# KiCad board rabbit_mask_capacitors_right.kicad_pcb (continued)
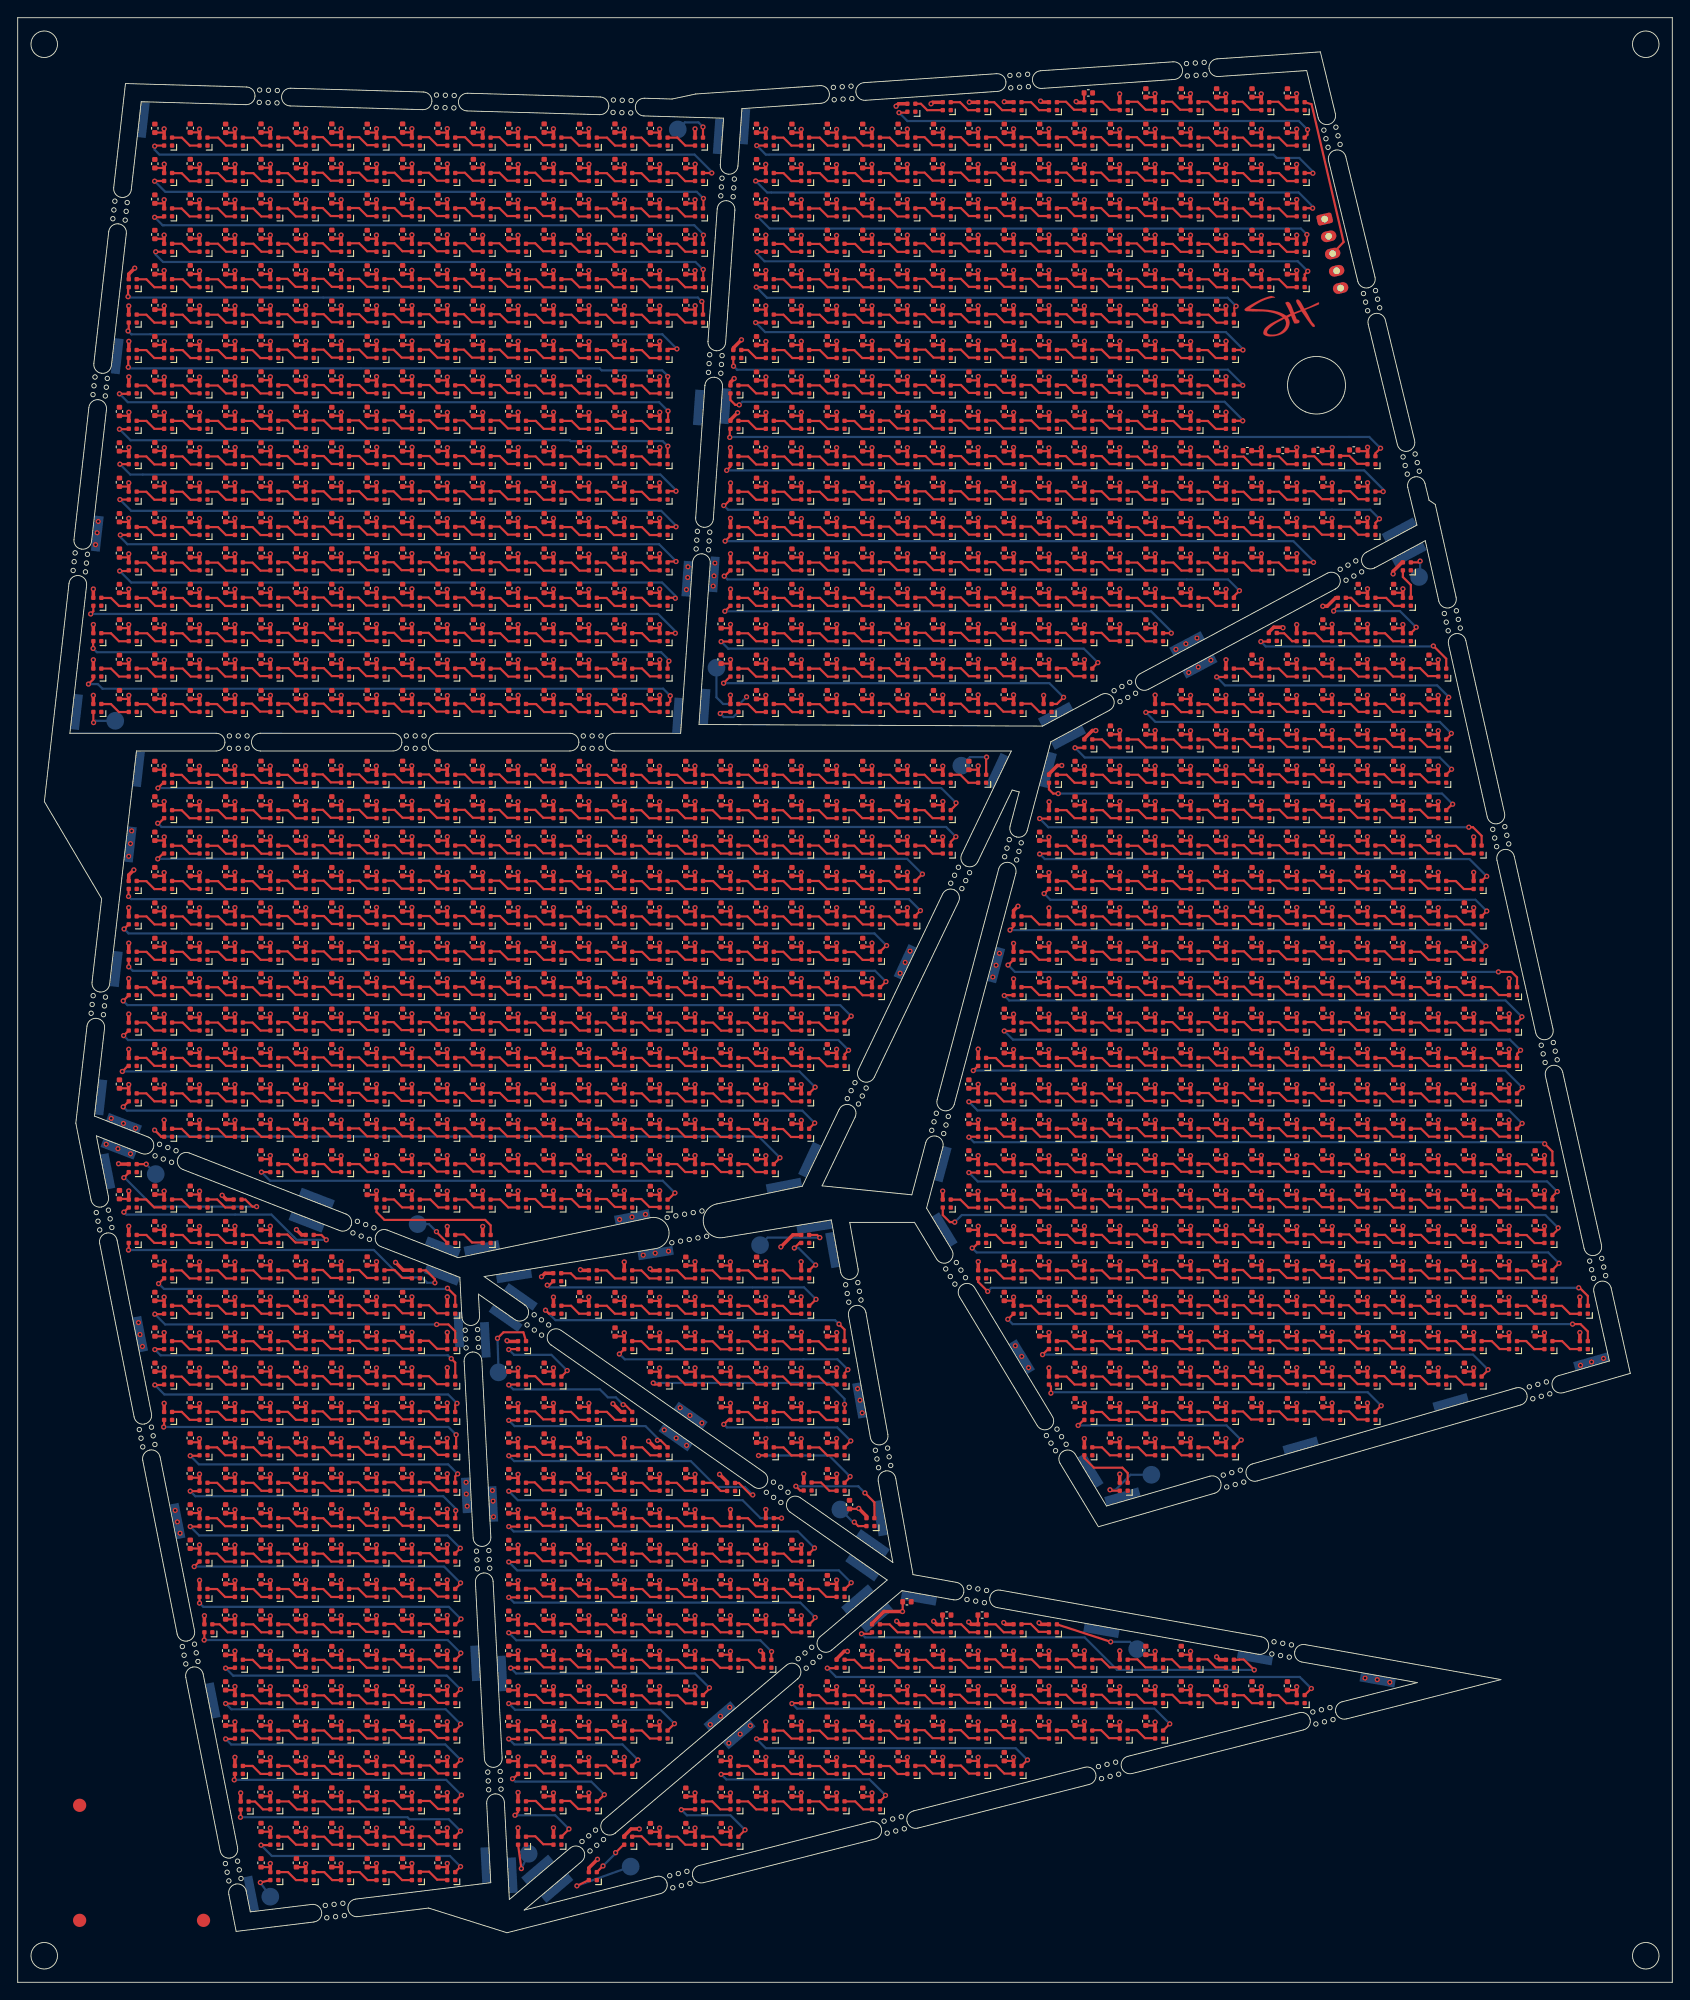
[diagram p0: board, top side]
## Routing (per net, layer and track width the routed paths; a pad name or vN(x,y) marks a point on that pad's centre or on a via; arc(x,y) is an arc through that point) (continued)
v1(152.54,145.44) ; 108.55,136.47 v1(108.55,137.45) ; D2179.2 v1(144.55,129.43) ; 40.55,100.5 v1(40.55,101.47) ; 64.55,96.46 v1(64.55,97.44) ; 148.55,124.47 v1(148.55,125.45) ; D2094.2 v1(80.55,137.43) ; 164.56,84.44 v1(164.56,85.41) ; v1(55.3,72.5) 55.38,72.41 56.55,72.41 ; D2853.2 v1(104.55,37.43) ; 48.55,72.47 v1(48.55,73.44) ; 92.55,172.44 v1(92.55,173.42) ; 40.56,176.47 v1(40.56,177.44) ; D2934.2 v1(25.2,21.4) ; 68.55,160.42 v1(68.55,161.39) ; 40.56,188.47 v1(40.56,189.44) ; 148.54,88.43 v1(148.54,89.41) ; 132.55,108.43 v1(132.55,109.4) ; D2886.2 v1(132.55,33.43) ; D1931.2 v1(28.55,157.43) ; D2479.2 v1(40.55,93.43) ; v1(63.6,80.53) 63.68,80.45 D2574.2 ; 108.56,148.52 v1(108.56,149.5) ; 56.56,128.43 v1(56.56,129.4) ; D2358.2 v1(136.55,109.43) ; 52.55,168.44 v1(52.55,169.41) ; 124.55,192.43 v1(124.55,193.4) ; 12.56,176.44 v1(12.56,177.42) ; D1654.2 v1(128.55,193.43) ; 156.56,80.46 v1(156.56,81.44) ; 64.56,128.45 v1(64.56,129.43) ; D2067.2 120.55,140.55 121.45,141.45 v1(121.85,141.45) ; D2246.2 v1(120.55,121.42) ; 36.55,92.43 v1(36.55,93.4) ; 116.55,32.47 v1(116.55,33.45) ; 68.56,204.44 v1(68.56,205.42) ; 28.55,40.43 v1(28.55,41.4) ; 140.54,204.43 v1(140.54,205.4) ; 164.56,104.46 v1(164.56,105.44) ; 95.95,52.45 95.95,52.65 v1(95.05,53.55) ; D2901.2 v1(72.55,29.43) ; 148.55,116.47 v1(148.55,117.45) ; 64.56,204.47 v1(64.56,205.44) ; 48.56,128.47 v1(48.56,129.45) ; 36.56,184.45 v1(36.56,185.43) ; 60.55,168.46 v1(60.55,169.44) ; D2298.2 v1(28.55,113.43) ; D2396.2 v1(140.55,105.43) ; 148.55,120.47 v1(148.55,121.45) ; D2217.2 v1(152.55,125.42) ; 141.41,152.49 141.41,152.58 141.95,153.12 142.94,153.12 v1(143,153.06) ; D1938.2 v1(56.55,157.43) ; 140.56,160.45 v1(140.56,161.43) ; 68.55,88.47 v1(68.55,89.45) ; 136.55,208.41 v1(136.55,209.38) ; 72.56,176.44 v1(72.56,177.42) ; 104.55,208.43 v1(104.55,209.41) ; D2598.2 v1(16.55,77.43) ; 32.54,136.46 v1(32.54,137.44) ; D2200.2 v1(72.55,125.42) ; D1576.2 v1(76.55,201.43) ; D2775.2 v1(84.55,53.43) ; 16.55,116.42 v1(16.55,117.4) ; 152.56,80.46 v1(152.56,81.44) ; 68.55,152.43 v1(68.55,153.4) ; 128.55,92.44 v1(128.55,93.41) ; 20.55,76.43 v1(20.55,77.4) ; 32.55,108.44 v1(32.55,109.41) ; 132.56,84.46 v1(132.56,85.44) ; 48.55,104.44 v1(48.55,105.41) ; 116.55,76.43 v1(116.55,77.4) ; 32.55,24.43 v1(32.55,25.4) ; D2482.2 v1(52.55,93.43) ; 120.55,76.43 v1(120.55,77.4) ; 128.55,188.46 v1(128.55,189.44) ; D2363.2 v1(156.55,109.43) ; 48.56,176.42 v1(48.56,177.39) ; v1(113.05,121.6) 112.55,121.1 112.55,120.42 ; D2487.2 v1(72.55,93.43) ; D2792.2 v1(84.55,49.43) ; D2840.2 v1(44.55,37.43) ; 144.55,120.47 v1(144.55,121.45) ; 56.55,52.43 v1(56.55,53.4) ; 80.56,152.46 v1(80.56,153.44) ; 120.56,176.44 v1(120.56,177.42) ; D2168.2 v1(92.55,129.43) ; 68.56,148.44 v1(68.56,149.41) ; D2507.2 v1(172.55,93.43) ; 28.55,100.47 v1(28.55,101.44) ; 104.56,160.45 v1(104.56,161.43) ; D2299.2 v1(32.55,113.43) ; 132.54,204.45 v1(132.54,205.43) ; D2875.2 v1(88.55,33.43) ; 60.56,148.46 v1(60.56,149.44) ; 76.55,16.45 v1(76.55,17.43) ; 28.55,120.46 v1(28.55,121.44) ; 76.55,56.43 v1(76.55,57.4) ; 16.55,152.43 v1(16.55,153.4) ; 16.55,88.43 v1(16.55,89.4) ; 24.55,56.43 v1(24.55,57.4) ; 112.55,172.47 v1(112.55,173.44) ; 60.55,40.43 v1(60.55,41.4) ; 152.55,164.47 v1(152.55,165.45) ; 160.56,108.46 v1(160.56,109.44) ; 24.55,48.43 v1(24.55,49.4) ; D2190.2 v1(32.55,125.42) ; 140.56,164.45 v1(140.56,165.43) ; 136.55,112.44 v1(136.55,113.41) ; 76.55,96.46 v1(76.55,97.44) ; 116.55,188.49 v1(116.55,189.46) ; 136.56,164.43 v1(136.56,165.4) ; D2386.2 v1(88.55,105.43) ; 40.55,208.46 v1(40.55,209.44) ; D2699.2 v1(32.55,65.43) ; D1612.2 v1(96.55,197.43) ; 28.56,204.47 v1(28.56,205.44) ; 20.55,160.42 v1(20.55,161.39) ; 136.56,80.49 v1(136.56,81.46) ; 144.54,204.45 v1(144.54,205.43) ; D2664.2 v1(176.55,73.43) ; 32.55,28.43 v1(32.55,29.4) ; 80.55,108.43 v1(80.55,109.4) ; 84.56,156.43 v1(84.56,157.41) ; 16.54,136.46 v1(16.54,137.44) ; 112.56,176.42 v1(112.56,177.39) ; D2306.2 v1(60.55,113.43) ; 120.55,200.44 v1(120.55,201.42) ; 148.55,76.43 v1(148.55,77.4) ; D2909.2 v1(112.55,29.43) ; 28.55,52.43 v1(28.55,53.4) ; 20.55,168.44 v1(20.55,169.41) ; 152.56,96.49 v1(152.56,97.46) ; D2932.2 v1(108.55,25.43) ; 68.55,168.44 v1(68.55,169.41) ; 168.56,84.46 v1(168.56,85.44) ; 16.55,72.44 v1(16.55,73.41) ; 156.55,72.43 v1(156.55,73.4) ; 164.56,80.44 v1(164.56,81.41) ; 20.55,88.43 v1(20.55,89.4) ; 56.55,92.47 v1(56.55,93.45) ; D2838.2 v1(36.55,37.43) ; D2967.2 v1(48.55,13.43) ; 72.56,204.44 v1(72.56,205.42) ; 56.55,32.47 v1(56.55,33.45) ; 124.54,212.41 v1(124.54,213.39) ; 32.55,92.43 v1(32.55,93.4) ; D1624.2 v1(144.55,197.43) ; 108.56,180.47 v1(108.56,181.45) ; 76.55,112.44 v1(76.55,113.41) ; 68.56,180.41 v1(68.56,181.39) ; 116.55,192.47 v1(116.55,193.45) ; 88.56,148.47 v1(88.56,149.44) ; 152.55,132.47 v1(152.55,133.44) ; 16.55,168.44 v1(16.55,169.41) ; 92.55,60.47 v1(92.55,61.45) ; 48.55,164.43 v1(48.55,165.4) ; 144.54,88.41 v1(144.54,89.38) ; 104.55,188.46 v1(104.55,189.44) ; 128.56,164.45 v1(128.56,165.43) ; D2076.2 v1(156.55,141.43) ; 12.56,148.46 v1(12.56,149.44) ; D2927.2 v1(88.55,25.43) ; v1(111.5,212.5) 111.54,212.47 112.54,212.47 ; 120.56,168.43 v1(120.56,169.4) ; 64.55,104.44 v1(64.55,105.41) ; 100.55,144.47 v1(100.55,145.45) ; 64.54,136.46 v1(64.54,137.44) ; 120.54,88.43 v1(120.54,89.41) ; 24.56,144.45 v1(24.56,145.43) ; D2481.2 v1(48.55,93.43) ; 56.55,36.47 v1(56.55,37.45) ; D2219.2 v1(160.55,125.42) ; 32.56,128.45 v1(32.56,129.43) ; 12.56,184.45 v1(12.56,185.43) ; 36.56,128.45 v1(36.56,129.43) ; 36.56,144.45 v1(36.56,145.43) ; 20.55,96.44 v1(20.55,97.41) ; 72.55,168.46 v1(72.55,169.44) ; D2436.2 v1(156.55,101.43) ; 152.55,76.43 v1(152.55,77.4) ; 32.56,176.44 v1(32.56,177.42) ; D1615.2 v1(108.55,197.43) ; 116.56,152.44 v1(116.56,153.41) ; D2698.2 v1(28.55,65.43) ; 128.56,156.45 v1(128.56,157.43) ; 64.55,116.42 v1(64.55,117.4) ; 76.55,196.46 v1(76.55,197.44) ; 144.56,168.44 v1(144.56,169.42) ; 148.55,64.47 v1(148.55,65.45) ; 92.56,132.45 v1(92.56,133.43) ; D2292.2 v1(160.55,117.42) ; 116.55,196.47 v1(116.55,197.45) ; 64.56,184.43 v1(64.56,185.4) ; 36.55,160.44 v1(36.55,161.42) ; D2615.2 v1(112.55,77.43) ; 136.56,148.47 v1(136.56,149.44) ; 132.55,124.42 v1(132.55,125.4) ; 60.55,96.46 v1(60.55,97.44) ; D2240.2 v1(88.55,121.42) ; 40.55,104.49 v1(40.55,105.46) ; 40.55,164.47 v1(40.55,165.45) ; 96.55,144.47 v1(96.55,145.45) ; 124.56,152.46 v1(124.56,153.44) ; 96.55,24.43 v1(96.55,25.4) ; 16.57,172.44 v1(16.57,173.41) ; 104.54,88.43 v1(104.54,89.41) ; 128.55,32.43 v1(128.55,33.4) ; D2715.2 v1(132.55,65.43) ; D1872.2 v1(72.55,165.43) ; 148.55,100.47 v1(148.55,101.45) ; 72.55,72.41 v1(72.55,73.39) ; 84.55,108.43 v1(84.55,109.4) ; D1646.2 v1(96.55,193.43) ; 32.55,100.47 v1(32.55,101.44) ; D1857.2 v1(12.55,165.43) ; 132.55,136.43 v1(132.55,137.4) ; 164.56,112.45 v1(164.56,113.43) ; 32.55,168.46 v1(32.55,169.44) ; 24.55,196.44 v1(24.55,197.41) ; 116.56,148.47 v1(116.56,149.44) ; v1(13.22,193.7) 12.55,193.03 12.55,192.47 ; 112.55,100.44 v1(112.55,101.42) ; 116.55,124.42 v1(116.55,125.4) ; 140.55,76.47 v1(140.55,77.45) ; 20.56,128.43 v1(20.56,129.4) ; 160.56,80.44 v1(160.56,81.41) ; 8.55,148.47 v1(8.55,149.44) ; D2939.2 v1(44.55,21.43) ; 60.56,144.45 v1(60.56,145.43) ; 20.55,116.42 v1(20.55,117.4) ; 40.55,120.48 v1(40.55,121.46) ; 60.55,56.43 v1(60.55,57.4) ; 68.55,72.41 v1(68.55,73.39) ; D2940.2 v1(48.55,21.43) ; D1962.2 v1(12.55,153.43) ; 128.54,204.45 v1(128.54,205.43) ; 124.56,84.46 v1(124.56,85.44) ; 24.54,136.44 v1(24.54,137.41) ; 144.56,96.46 v1(144.56,97.44) ; D2854.2 v1(108.55,37.43) ; D2701.2 v1(40.55,65.43) ; 132.56,160.43 v1(132.56,161.4) ; D2712.2 v1(120.55,65.43) ; 80.55,68.44 v1(80.55,69.41) ; 84.55,188.46 v1(84.55,189.44) ; D2188.2 v1(24.55,125.42) ; 128.55,200.47 v1(128.55,201.44) ; D1942.2 v1(72.55,157.43) ; D1564.2 v1(28.55,201.43) ; 40.55,96.46 v1(40.55,97.44) ; 44.56,144.47 v1(44.56,145.45) ; 36.54,136.46 v1(36.54,137.44) ; 80.56,132.45 v1(80.56,133.43) ; 128.55,120.42 v1(128.55,121.4) ; 52.56,144.43 v1(52.56,145.4) ; 120.56,132.43 v1(120.56,133.4) ; D2290.2 v1(152.55,117.42) ; 52.55,108.41 v1(52.55,109.39) ; D2850.2 92.55,36.55 93.4,37.4 v1(93.77,37.4) ; 48.56,188.5 v1(48.56,189.47) ; 112.56,152.49 v1(112.56,153.46) ; D2822.2 v1(64.55,41.43) ; 64.56,180.41 v1(64.56,181.39) ; 40.56,144.47 v1(40.56,145.45) ; 72.56,184.45 v1(72.56,185.43) ; 168.55,92.44 v1(168.55,93.41) ; 72.55,16.45 v1(72.55,17.43) ; D2835.2 v1(24.55,37.43) ; 128.55,28.43 v1(128.55,29.4) ; D2608.2 v1(64.55,77.43) ; 116.56,132.43 v1(116.56,133.4) ; 88.55,128.43 v1(88.55,129.4) ; 156.54,148.47 v1(156.54,149.44) ; 84.55,136.43 v1(84.55,137.4) ; 88.55,196.43 v1(88.55,197.4) ; D2734.2 v1(84.55,61.43) ; 172.55,80.46 v1(172.55,81.44) ; D2603.2 v1(36.55,77.43) ; D2473.2 v1(164.55,97.43) ; 68.56,176.42 v1(68.56,177.39) ; 152.55,128.47 v1(152.55,129.45) ; D2900.2 v1(68.55,29.43) ; D2931.2 v1(104.55,25.43) ; 84.56,168.43 v1(84.56,169.4) ; D2808.2 v1(80.55,45.43) ; 84.56,132.43 v1(84.56,133.4) ; 60.55,24.43 v1(60.55,25.4) ; D2207.2 v1(100.55,125.42) ; 48.55,88.43 v1(48.55,89.4) ; D2118.2 v1(32.55,133.43) ; 16.55,100.44 v1(16.55,101.42) ; 168.56,80.46 v1(168.56,81.44) ; D1632.2 v1(36.55,193.43) ; 64.57,172.44 v1(64.57,173.41) ; 176.55,76.46 v1(176.55,77.44) ; 16.56,204.47 v1(16.56,205.44) ; 124.55,196.43 v1(124.55,197.4) ; 136.55,60.46 v1(136.55,61.44) ; 168.55,72.43 v1(168.55,73.4) ; 92.56,176.44 v1(92.56,177.42) ; D2868.2 v1(48.55,33.43) ; D2214.2 v1(140.55,125.42) ; 32.55,196.46 v1(32.55,197.44) ; 88.56,168.43 v1(88.56,169.4) ; 12.55,92.46 11.44,92.46 v1(11.4,92.5) ; 20.55,200.43 v1(20.55,201.4) ; 36.56,148.46 v1(36.56,149.44) ; D2878.2 v1(100.55,33.43) ; 80.55,116.42 v1(80.55,117.4) ; 88.56,84.46 87.61,84.46 v1(86.25,83.1) ; 36.55,168.46 v1(36.55,169.44) ; 68.55,120.44 v1(68.55,121.41) ; 36.55,196.46 v1(36.55,197.44) ; 76.55,20.43 v1(76.55,21.4) ; D2791.2 v1(80.55,49.43) ; 12.55,168.46 v1(12.55,169.44) ; 72.55,200.43 v1(72.55,201.4) ; 52.55,96.44 v1(52.55,97.41) ; 52.55,208.44 v1(52.55,209.41) ; 24.57,172.46 v1(24.57,173.44) ; 156.55,92.44 v1(156.55,93.41) ; 68.55,92.43 v1(68.55,93.4) ; 136.55,196.43 v1(136.55,197.4) ; 116.56,168.43 v1(116.56,169.4) ; 156.55,156.49 v1(156.55,157.46) ; 124.55,140.47 v1(124.55,141.45) ; 116.56,156.43 v1(116.56,157.41) ; 72.55,120.46 v1(72.55,121.44) ; 136.56,176.44 v1(136.56,177.42) ; 152.55,152.47 v1(152.55,153.45) ; D2620.2 v1(132.55,77.43) ; D1861.2 v1(28.55,165.43) ; 24.55,64.43 v1(24.55,65.4) ; 36.55,72.44 v1(36.55,73.41) ; 96.54,204.45 v1(96.54,205.43) ; 20.55,108.41 v1(20.55,109.39) ; 32.55,16.43 v1(32.55,17.4) ; 68.55,208.44 v1(68.55,209.41) ; D2686.2 v1(132.55,69.43) ; D1614.2 v1(104.55,197.43) ; 116.55,108.43 v1(116.55,109.4) ; 100.55,208.43 v1(100.55,209.41) ; 156.54,88.41 v1(156.54,89.38) ; D2602.2 v1(32.55,77.43) ; 140.55,208.41 v1(140.55,209.38) ; 64.55,12.43 64.55,12.93 v1(65.52,13.9) ; 44.56,176.47 v1(44.56,177.44) ; 52.55,104.44 v1(52.55,105.41) ; 124.55,100.47 v1(124.55,101.44) ; 52.55,84.44 v1(52.55,85.41) ; 48.55,156.43 v1(48.55,157.4) ; 124.55,92.44 v1(124.55,93.41) ; 112.56,184.44 v1(112.56,185.41) ; 84.55,92.43 v1(84.55,93.4) ; 48.55,112.43 v1(48.55,113.4) ; D2688.2 v1(140.55,69.43) ; 136.55,200.44 v1(136.55,201.42) ; 40.55,160.47 v1(40.55,161.44) ; 136.54,212.41 v1(136.54,213.39) ; D2777.2 v1(20.55,49.43) ; 32.55,36.43 v1(32.55,37.4) ; 132.55,208.43 v1(132.55,209.41) ; 88.55,68.41 v1(88.55,69.39) ; 116.56,184.44 v1(116.56,185.41) ; 72.55,192.43 v1(72.55,193.4) ; 48.55,48.47 v1(48.55,49.45) ; 104.56,132.45 v1(104.56,133.43) ; 172.55,72.43 v1(172.55,73.4) ; 32.54,60.46 v1(32.54,61.44) ; 108.55,144.5 v1(108.55,145.47) ; D1621.2 v1(132.55,197.43) ; 20.55,208.44 v1(20.55,209.41) ; D1620.2 v1(128.55,197.43) ; 148.56,84.44 v1(148.56,85.41) ; 44.55,200.47 v1(44.55,201.45) ; 96.56,168.45 v1(96.56,169.43) ; D2893.2 v1(36.55,29.43) ; 64.55,92.43 v1(64.55,93.4) ; 16.55,164.43 v1(16.55,165.4) ; D2742.2 v1(20.55,57.43) ; 64.55,156.43 v1(64.55,157.4) ; 128.54,212.44 v1(128.54,213.41) ; D1932.2 v1(32.55,157.43) ; D2508.2 v1(12.55,89.43) ; 44.55,104.49 v1(44.55,105.46) ; D2946.2 v1(84.55,21.43) ; 124.55,64.43 v1(124.55,65.4) ; D2269.2 v1(56.55,117.42) ; D2213.2 v1(136.55,125.42) ; 120.55,32.47 v1(120.55,33.45) ; 76.55,44.43 v1(76.55,45.4) ; 128.54,88.43 v1(128.54,89.41) ; 60.52,80.12 59.6,80.12 v1(59.2,79.72) ; 132.55,120.42 v1(132.55,121.4) ; 36.56,188.47 v1(36.56,189.44) ; 32.56,148.46 v1(32.56,149.44) ; D2565.2 v1(16.55,81.43) ; 108.56,184.49 v1(108.56,185.46) ; 80.56,72.46 v1(80.56,73.44) ; 12.55,108.44 v1(12.55,109.41) ; 136.55,188.44 v1(136.55,189.41) ; 168.56,108.46 v1(168.56,109.44) ; 72.55,104.46 v1(72.55,105.44) ; D2476.2 v1(28.55,93.43) ; 20.56,184.43 v1(20.56,185.4) ; 164.55,76.43 v1(164.55,77.4) ; 116.55,92.41 v1(116.55,93.39) ; D2668.2 v1(28.55,69.43) ; D1660.2 v1(12.55,189.43) ; D2196.2 v1(56.55,125.42) ; 96.55,208.43 v1(96.55,209.41) ; 60.54,136.46 v1(60.54,137.44) ; 132.55,116.42 v1(132.55,117.4) ; 56.55,56.43 v1(56.55,57.4) ; 48.55,124.42 v1(48.55,125.4) ; 16.55,208.46 v1(16.55,209.44) ; 112.55,92.41 v1(112.55,93.39) ; 40.56,148.49 v1(40.56,149.46) ; 132.55,100.44 v1(132.55,101.42) ; 56.55,132.43 v1(56.55,133.4) ; D2105.2 v1(128.55,137.43) ; D2788.2 v1(68.55,49.43) ; D2794.2 v1(20.55,45.43) ; 56.56,204.44 v1(56.56,205.42) ; 108.55,200.47 v1(108.55,201.44) ; 84.55,64.43 v1(84.55,65.4) ; 96.55,188.46 v1(96.55,189.44) ; 76.55,40.43 v1(76.55,41.4) ; 160.54,148.47 v1(160.54,149.44) ; D2896.2 v1(48.55,29.43) ; D2735.2 v1(88.55,61.43) ; 44.55,124.47 v1(44.55,125.45) ; 128.56,184.44 v1(128.56,185.41) ; D2241.2 v1(92.55,121.42) ; 144.55,208.43 v1(144.55,209.41) ; 28.55,28.43 v1(28.55,29.4) ; 124.55,60.44 v1(124.55,61.41) ; D2201.2 v1(76.55,125.42) ; 144.55,76.47 v1(144.55,77.45) ; D2400.2 v1(156.55,105.43) ; 132.56,96.43 v1(132.56,97.4) ; D2756.2 80.18,56.55 v1(79.32,57.4) ; D2670.2 v1(36.55,69.43) ; 56.54,60.44 v1(56.54,61.41) ; 88.54,76.47 v1(88.54,77.45) ; 124.56,132.45 v1(124.56,133.43) ; 44.55,132.47 v1(44.55,133.45) ; D2261.2 v1(24.55,117.42) ; 20.57,172.44 v1(20.57,173.41) ; D2206.2 v1(96.55,125.42) ; 136.55,128.43 v1(136.55,129.4) ; D2764.2 v1(36.55,53.43) ; 72.55,52.43 v1(72.55,53.4) ; D2263.2 v1(32.55,117.42) ; 64.55,112.43 v1(64.55,113.4) ; D1655.2 v1(132.55,193.43) ; D2872.2 v1(68.55,33.43) ; 84.55,68.41 v1(84.55,69.39) ; 112.55,108.43 v1(112.55,109.4) ; D2183.2 v1(160.55,129.43) ; 96.55,200.47 v1(96.55,201.44) ; 120.56,164.43 v1(120.56,165.4) ; D1658.2 v1(144.55,193.43) ; D2908.2 v1(108.55,29.43) ; 12.55,84.46 v1(12.55,85.44) ; 20.56,204.44 v1(20.56,205.42) ; 72.55,132.43 v1(72.55,133.4) ; 96.55,36.43 v1(96.55,37.4) ; 120.54,204.43 v1(120.54,205.4) ; D1939.2 v1(60.55,157.43) ; D2711.2 v1(92.55,65.43) ; 108.55,208.43 v1(108.55,209.41) ; D2351.2 v1(92.55,109.43) ; D2881.2 v1(112.55,33.43) ; 136.54,88.46 v1(136.54,89.43) ; 56.55,100.47 v1(56.55,101.44) ; 96.55,172.44 v1(96.55,173.42) ; 88.56,72.49 v1(88.56,73.46) ; 128.56,132.45 v1(128.56,133.43) ; 28.55,84.46 v1(28.55,85.44) ; 44.55,72.47 v1(44.55,73.44) ; 120.55,100.47 v1(120.55,101.44) ; D2669.2 v1(32.55,69.43) ; 56.55,48.43 v1(56.55,49.4) ; D1966.2 v1(28.55,153.43) ; 100.56,176.44 v1(100.56,177.42) ; D2887.2 v1(136.55,33.43) ; 56.56,148.46 v1(56.56,149.44) ; D2829.2 96.55,40.55 97.9,41.9 v1(100,41.9) ; 36.56,180.44 v1(36.56,181.41) ; 136.55,100.47 v1(136.55,101.44) ; 20.56,176.42 v1(20.56,177.39) ; 60.55,32.43 v1(60.55,33.4) ; 64.55,32.43 v1(64.55,33.4) ; 100.56,132.45 v1(100.56,133.43) ; D2812.2 v1(21.1,41.43) ; 64.55,208.46 v1(64.55,209.44) ; 16.56,180.41 v1(16.56,181.39) ; 72.55,56.43 v1(72.55,57.4) ; 152.55,72.43 v1(152.55,73.4) ; 20.55,156.43 v1(20.55,157.4) ; D2278.2 v1(92.55,117.42) ; D2577.2 v1(76.55,81.43) ; D2512.2 v1(40.55,89.43) ; D2300.2 v1(36.55,113.43) ; 112.54,88.41 v1(112.54,89.38) ; 140.56,84.49 v1(140.56,85.46) ; 148.55,68.47 v1(148.55,69.45) ; D1647.2 v1(100.55,193.43) ; 144.54,212.44 v1(144.54,213.41) ; D1630.2 v1(28.55,193.43) ; 88.56,96.43 v1(88.56,97.4) ; 32.56,144.45 v1(32.56,145.43) ; 48.55,96.49 v1(48.55,97.46) ; 120.56,80.46 v1(120.56,81.44) ; D2933.2 v1(112.55,25.43) ; D1933.2 v1(36.55,157.43) ; 44.55,16.45 v1(44.55,17.43) ; D1566.2 v1(36.55,201.43) ; 112.55,112.41 v1(112.55,113.39) ; 128.55,100.44 v1(128.55,101.42) ; 40.55,168.49 v1(40.55,169.46) ; 136.55,172.42 v1(136.55,173.39) ; 88.56,152.44 v1(88.56,153.41) ; D1967.2 v1(32.55,153.43) ; D2104.2 v1(124.55,137.43) ; 76.56,128.45 v1(76.56,129.43) ; D2392.2 v1(124.55,105.43) ; 124.55,112.44 v1(124.55,113.41) ; 100.55,36.43 v1(100.55,37.4) ; 76.55,100.47 v1(76.55,101.44) ; 24.56,176.44 v1(24.56,177.42) ; 64.55,36.43 v1(64.55,37.4) ; 84.56,180.43 v1(84.56,181.4) ; 48.55,200.47 v1(48.55,201.45) ; 52.55,200.43 v1(52.55,201.4) ; 28.56,188.47 v1(28.56,189.44) ; 80.55,36.43 v1(80.55,37.4) ; 168.56,100.46 v1(168.56,101.44) ; D2189.2 v1(28.55,125.42) ; D2277.2 v1(88.55,117.42) ; 44.54,136.49 v1(44.54,137.46) ; 80.55,124.42 v1(80.55,125.4) ; 36.55,208.46 v1(36.55,209.44) ; D1561.2 v1(16.55,201.43) ; 72.57,172.46 v1(72.57,173.44) ; 120.56,160.43 v1(120.56,161.4) ; 88.55,100.47 v1(88.55,101.44) ; 132.55,92.44 v1(132.55,93.41) ; 64.54,60.46 v1(64.54,61.44) ; 52.56,204.44 v1(52.56,205.42) ; 80.56,156.45 v1(80.56,157.43) ; 16.55,84.44 v1(16.55,85.41) ; D2759.2 v1(124.55,57.43) ; 32.56,204.47 v1(32.56,205.44) ; 56.55,208.44 v1(56.55,209.41) ; 128.56,160.45 v1(128.56,161.43) ; D2114.2 v1(16.55,133.43) ; 168.56,112.45 v1(168.56,113.43) ; 60.56,184.45 v1(60.56,185.43) ; 44.55,160.47 v1(44.55,161.44) ; 36.55,120.46 v1(36.55,121.44) ; 124.55,36.47 v1(124.55,37.45) ; 60.55,108.44 v1(60.55,109.41) ; D1968.2 v1(36.55,153.43) ; 48.55,64.47 v1(48.55,65.45) ; 144.56,84.44 v1(144.56,85.41) ; D2856.2 v1(116.55,37.43) ; D2687.2 v1(136.55,69.43) ; D2604.2 v1(40.55,77.43) ; D2108.2 v1(140.55,137.43) ; 52.56,176.42 v1(52.56,177.39) ; 76.55,48.43 v1(76.55,49.4) ; D2309.2 v1(72.55,113.43) ; 68.55,200.43 v1(68.55,201.4) ; 48.55,84.44 v1(48.55,85.41) ; 32.55,32.43 v1(32.55,33.4) ; 144.55,100.47 v1(144.55,101.45) ; 136.55,92.47 v1(136.55,93.44) ; D2125.2 v1(60.55,133.43) ; 104.54,204.45 v1(104.54,205.43) ; 140.55,112.44 v1(140.55,113.41) ; 56.55,20.47 v1(56.55,21.45) ; 68.54,136.44 v1(68.54,137.41) ; 112.56,148.52 v1(112.56,149.5) ; D2675.2 v1(60.55,69.43) ; 92.55,208.41 v1(92.55,209.38) ; 108.54,88.41 v1(108.54,89.38) ; 52.55,120.44 v1(52.55,121.41) ; 132.56,156.43 v1(132.56,157.41) ; 84.55,124.42 v1(84.55,125.4) ; 96.56,160.45 v1(96.56,161.43) ; 124.55,68.43 v1(124.55,69.4) ; D2071.2 v1(136.55,141.43) ; 52.55,164.43 v1(52.55,165.4) ; 84.55,200.47 v1(84.55,201.44) ; D2291.2 v1(156.55,117.42) ; D2031.2 v1(8.55,145.43) ; 124.55,200.44 v1(124.55,201.42) ; D2254.2 v1(152.55,121.42) ; 108.56,152.49 v1(108.56,153.46) ; 48.55,116.42 v1(48.55,117.4) ; 140.54,88.41 v1(140.54,89.38) ; 124.55,32.43 v1(124.55,33.4) ; 24.56,184.45 v1(24.56,185.43) ; 24.55,208.44 v1(24.55,209.41) ; 112.55,196.47 v1(112.55,197.45) ; 144.54,144.44 v1(144.54,145.42) ; 88.56,132.43 v1(88.56,133.4) ; 96.55,28.43 v1(96.55,29.4) ; D2571.2 v1(40.55,81.43) ; 80.54,76.45 v1(80.54,77.43) ; 44.55,208.49 v1(44.55,209.46) ; 24.54,60.44 v1(24.54,61.41) ; 28.55,48.43 v1(28.55,49.4) ; 64.56,176.42 v1(64.56,177.39) ; D2435.2 v1(152.55,101.43) ; 64.55,124.42 v1(64.55,125.4) ; 160.56,100.46 v1(160.56,101.44) ; 100.56,168.45 v1(100.56,169.43) ; 28.54,60.44 v1(28.54,61.41) ; D2175.2 v1(128.55,129.43) ; 148.55,104.47 v1(148.55,105.45) ; D1565.2 v1(32.55,201.43) ; 20.55,152.43 v1(20.55,153.4) ; 128.56,84.46 v1(128.56,85.44) ; D2924.2 v1(68.55,25.43) ; 96.56,180.45 v1(96.56,181.43) ; 132.55,104.43 v1(132.55,105.4) ; 28.56,144.45 v1(28.56,145.43) ; 56.55,160.44 v1(56.55,161.42) ; 40.55,156.47 v1(40.55,157.45) ; D1609.2 v1(84.55,197.43) ; 56.56,176.44 v1(56.56,177.42) ; 32.56,188.47 v1(32.56,189.44) ; D2432.2 v1(140.55,101.43) ; D2965.2 v1(40.55,13.43) ; D2568.2 v1(28.55,81.43) ; 144.55,104.47 v1(144.55,105.45) ; 84.56,148.47 v1(84.56,149.44) ; 68.55,196.44 v1(68.55,197.41) ; 52.55,196.44 v1(52.55,197.41) ; D1927.2 v1(12.55,157.43) ; 76.55,72.44 v1(76.55,73.41) ; 140.56,80.49 v1(140.56,81.46) ; 76.54,136.46 v1(76.54,137.44) ; D2653.2 v1(132.55,73.43) ; D2716.2 v1(136.55,65.43) ; 8.55,156.46 v1(8.55,157.44) ; 116.55,200.5 v1(116.55,201.47) ; 104.56,156.45 v1(104.56,157.43) ; 80.54,80.43 v1(80.54,81.41) ; 64.55,52.45 v1(64.55,53.43) ; 40.54,136.46 v1(40.54,137.44) ; 124.55,208.41 v1(124.55,209.38) ; 20.56,144.43 v1(20.56,145.4) ; 112.56,160.47 v1(112.56,161.45) ; 144.55,92.41 v1(144.55,93.39) ; 124.56,184.46 v1(124.56,185.44) ; D1633.2 v1(40.55,193.43) ; 60.55,44.43 v1(60.55,45.4) ; D2926.2 v1(84.55,25.43) ; 140.56,168.45 v1(140.56,169.43) ; D2867.2 v1(44.55,33.43) ; 64.55,108.41 v1(64.55,109.39) ; 116.56,176.42 v1(116.56,177.39) ; 72.54,136.44 v1(72.54,137.41) ; 24.56,148.46 v1(24.56,149.44) ; 108.56,96.47 v1(108.56,97.45) ; 84.54,76.45 v1(84.54,77.43) ; 48.54,136.49 v1(48.54,137.46) ; 128.56,152.46 v1(128.56,153.44) ; 52.55,112.43 v1(52.55,113.4) ; 28.55,96.46 v1(28.55,97.44) ; 120.55,172.42 v1(120.55,173.39) ; 68.55,116.42 v1(68.55,117.4) ; 152.55,140.47 v1(152.55,141.45) ; 92.56,184.46 v1(92.56,185.44) ; 44.54,60.46 v1(44.54,61.44) ; D2258.2 v1(12.55,117.42) ; 156.56,96.46 v1(156.56,97.44) ; D1649.2 v1(108.55,193.43) ; 60.55,100.47 v1(60.55,101.44) ; D2294.2 v1(12.55,113.43) ; D2297.2 v1(24.55,113.43) ; 64.56,148.44 v1(64.56,149.41) ; 20.54,60.46 v1(20.54,61.44) ; D2060.2 v1(136.55,145.43) ; D2745.2 v1(32.55,57.43) ; 148.56,96.49 v1(148.56,97.46) ; D2914.2 v1(24.55,25.43) ; 40.55,116.47 v1(40.55,117.45) ; D1572.2 v1(60.55,201.43) ; D2354.2 v1(120.55,109.43) ; 56.55,120.46 v1(56.55,121.44) ; 112.56,168.47 v1(112.56,169.45) ; 140.55,192.43 v1(140.55,193.4) ; D1638.2 v1(60.55,193.43) ; 136.56,180.45 v1(136.56,181.43) ; 116.55,172.42 v1(116.55,173.39) ; D2783.2 v1(44.55,49.43) ; D2760.2 v1(20.55,53.43) ; 48.55,192.47 v1(48.55,193.45) ; 28.55,32.43 v1(28.55,33.4) ; 76.55,32.43 v1(76.55,33.4) ; D2274.2 v1(76.55,117.42) ; 124.54,204.43 v1(124.54,205.4) ; 148.55,72.47 v1(148.55,73.45) ; 124.56,176.44 v1(124.56,177.42) ; 60.55,160.44 v1(60.55,161.42) ; 68.54,60.46 v1(68.54,61.44) ; v1(135.5,36.78) 135.82,36.45 D2861.2 ; 16.55,120.44 v1(16.55,121.41) ; 120.55,72.43 v1(120.55,73.4) ; D2918.2 v1(40.55,25.43) ; 144.55,112.47 v1(144.55,113.44) ; 112.56,84.44 v1(112.56,85.41) ; 64.55,24.43 v1(64.55,25.4) ; 108.56,156.48 v1(108.56,157.45) ; 48.54,60.49 v1(48.54,61.46) ; 80.56,148.5 v1(80.56,149.47) ; D1567.2 v1(40.55,201.43) ; 128.55,144.47 v1(128.55,145.45) ; 84.55,116.42 v1(84.55,117.4) ; 108.56,168.47 v1(108.56,169.45) ; 32.55,12.43 v1(32.55,13.4) ; 164.56,100.46 v1(164.56,101.44) ; 56.56,180.44 v1(56.56,181.41) ; 104.56,164.45 v1(104.56,165.43) ; D2627.2 v1(160.55,77.43) ; 96.56,152.46 v1(96.56,153.44) ; 84.55,172.42 v1(84.55,173.39) ; 120.56,184.46 v1(120.56,185.44) ; D2866.2 v1(40.55,33.43) ; 68.55,100.44 v1(68.55,101.42) ; 56.55,192.43 v1(56.55,193.4) ; 144.55,124.47 v1(144.55,125.45) ; 16.56,176.42 v1(16.56,177.39) ; 60.55,16.48 v1(60.55,17.45) ; 168.55,76.43 v1(168.55,77.4) ; D2569.2 v1(32.55,81.43) ; 108.55,92.44 v1(108.55,93.41) ; 64.55,160.42 v1(64.55,161.39) ; 20.56,180.41 v1(20.56,181.39) ; 100.56,156.45 v1(100.56,157.43) ; 88.83,56.47 v1(88.83,57.45) ; 108.54,204.45 v1(108.54,205.43) ; D2098.2 v1(96.55,137.43) ; D2362.2 v1(152.55,109.43) ; D2937.2 v1(36.55,21.43) ; 28.55,56.43 v1(28.55,57.4) ; D2165.2 v1(80.55,129.43) ; D2395.2 v1(136.55,105.43) ; 116.56,180.43 v1(116.56,181.4) ; 64.56,144.43 v1(64.56,145.4) ; 80.55,144.47 v1(80.55,145.45) ; D2693.2 v1(160.55,69.43) ; 120.55,92.44 v1(120.55,93.41) ; 84.55,120.42 v1(84.55,121.4) ; 140.56,132.45 v1(140.56,133.43) ; 112.55,192.47 v1(112.55,193.45) ; 76.56,204.47 v1(76.56,205.44) ; 40.56,128.45 v1(40.56,129.43) ; 156.55,112.44 v1(156.55,113.41) ; 132.55,112.41 v1(132.55,113.39) ; 28.55,20.43 v1(28.55,21.4) ; 136.56,84.49 v1(136.56,85.46) ; D2763.2 v1(32.55,53.43) ; D2782.2 v1(40.55,49.43) ; 112.55,144.5 v1(112.55,145.47) ; 96.55,112.44 v1(96.55,113.41) ; 36.57,172.46 v1(36.57,173.44) ; D2930.2 v1(100.55,25.43) ; D2919.2 v1(44.55,25.43) ; 48.55,100.44 v1(48.55,101.42) ; 132.55,172.42 v1(132.55,173.39) ; D2619.2 v1(128.55,77.43) ; 128.55,208.43 v1(128.55,209.41) ; D2705.2 v1(60.55,65.43) ; D2286.2 v1(136.55,117.42) ; 56.55,196.44 v1(56.55,197.41) ; D2798.2 v1(36.55,45.43) ; D2865.2 v1(36.55,33.43) ; 120.55,128.43 v1(120.55,129.4) ; 92.55,188.44 v1(92.55,189.41) ; D2903.2 v1(88.55,29.43) ; D1863.2 v1(36.55,165.43) ; 12.56,180.44 v1(12.56,181.41) ; 24.55,68.43 v1(24.55,69.4) ; D2766.2 v1(44.55,53.43) ; 112.55,104.43 v1(112.55,105.4) ; 124.56,80.46 v1(124.56,81.44) ; 128.55,60.44 v1(128.55,61.41) ; 152.56,168.47 v1(152.56,169.44) ; 152.56,172.49 v1(152.56,173.46) ; D2488.2 v1(76.55,93.43) ; 56.55,104.46 v1(56.55,105.44) ; 80.55,104.43 v1(80.55,105.4) ; 40.57,172.49 v1(40.57,173.46) ; 100.55,188.46 v1(100.55,189.44) ; 56.56,188.44 v1(56.56,189.42) ; D2947.2 v1(88.55,21.43) ; 120.56,156.43 v1(120.56,157.41) ; 44.55,164.47 v1(44.55,165.45) ; 68.57,172.44 v1(68.57,173.41) ; 24.55,44.43 v1(24.55,45.4) ; 92.55,32.43 v1(92.55,33.4) ; 132.55,188.46 v1(132.55,189.44) ; D2518.2 v1(64.55,89.43) ; D2210.2 v1(124.55,125.42) ; 124.55,72.43 v1(124.55,73.4) ; 20.56,148.44 v1(20.56,149.41) ; 92.56,180.45 v1(92.56,181.43) ; D2748.2 v1(44.55,57.43) ; 44.55,152.47 v1(44.55,153.45) ; 84.55,128.43 v1(84.55,129.4) ; 92.55,44.47 v1(92.55,45.45) ; 16.56,148.44 v1(16.56,149.41) ; 36.56,204.47 v1(36.56,205.44) ; 120.55,60.46 v1(120.55,61.44) ; 28.55,24.43 v1(28.55,25.4) ; 120.56,152.44 v1(120.56,153.41) ; 116.55,112.41 v1(116.55,113.39) ; 128.56,176.42 v1(128.56,177.39) ; 20.55,132.43 v1(20.55,133.4) ; 112.56,164.47 v1(112.56,165.45) ; 16.55,196.46 v1(16.55,197.44) ; 56.54,136.44 v1(56.54,137.41) ; 132.56,164.43 v1(132.56,165.4) ; 88.57,48.45 v1(88.57,49.43) ; 92.55,24.43 v1(92.55,25.4) ; 56.55,168.46 v1(56.55,169.44) ; 160.56,112.45 v1(160.56,113.43) ; D2243.2 v1(100.55,121.42) ; 148.55,140.47 v1(148.55,141.45) ; D2099.2 v1(100.55,137.43) ; 124.54,88.43 v1(124.54,89.41) ; 52.56,128.43 v1(52.56,129.4)
